# Altium PCB PCB.PcbDoc (part 2 of 2)
Units mm, origin at the board's own origin, x right, y up, seen from the top; angles counter-clockwise.
Board outline 111 x 125 mm, 4 copper layers (Top Layer, Ground Plane, Supply, Bottom Layer), stack 1.536 mm thick; 103 components, 126 nets, 485 pads, 233 vias.
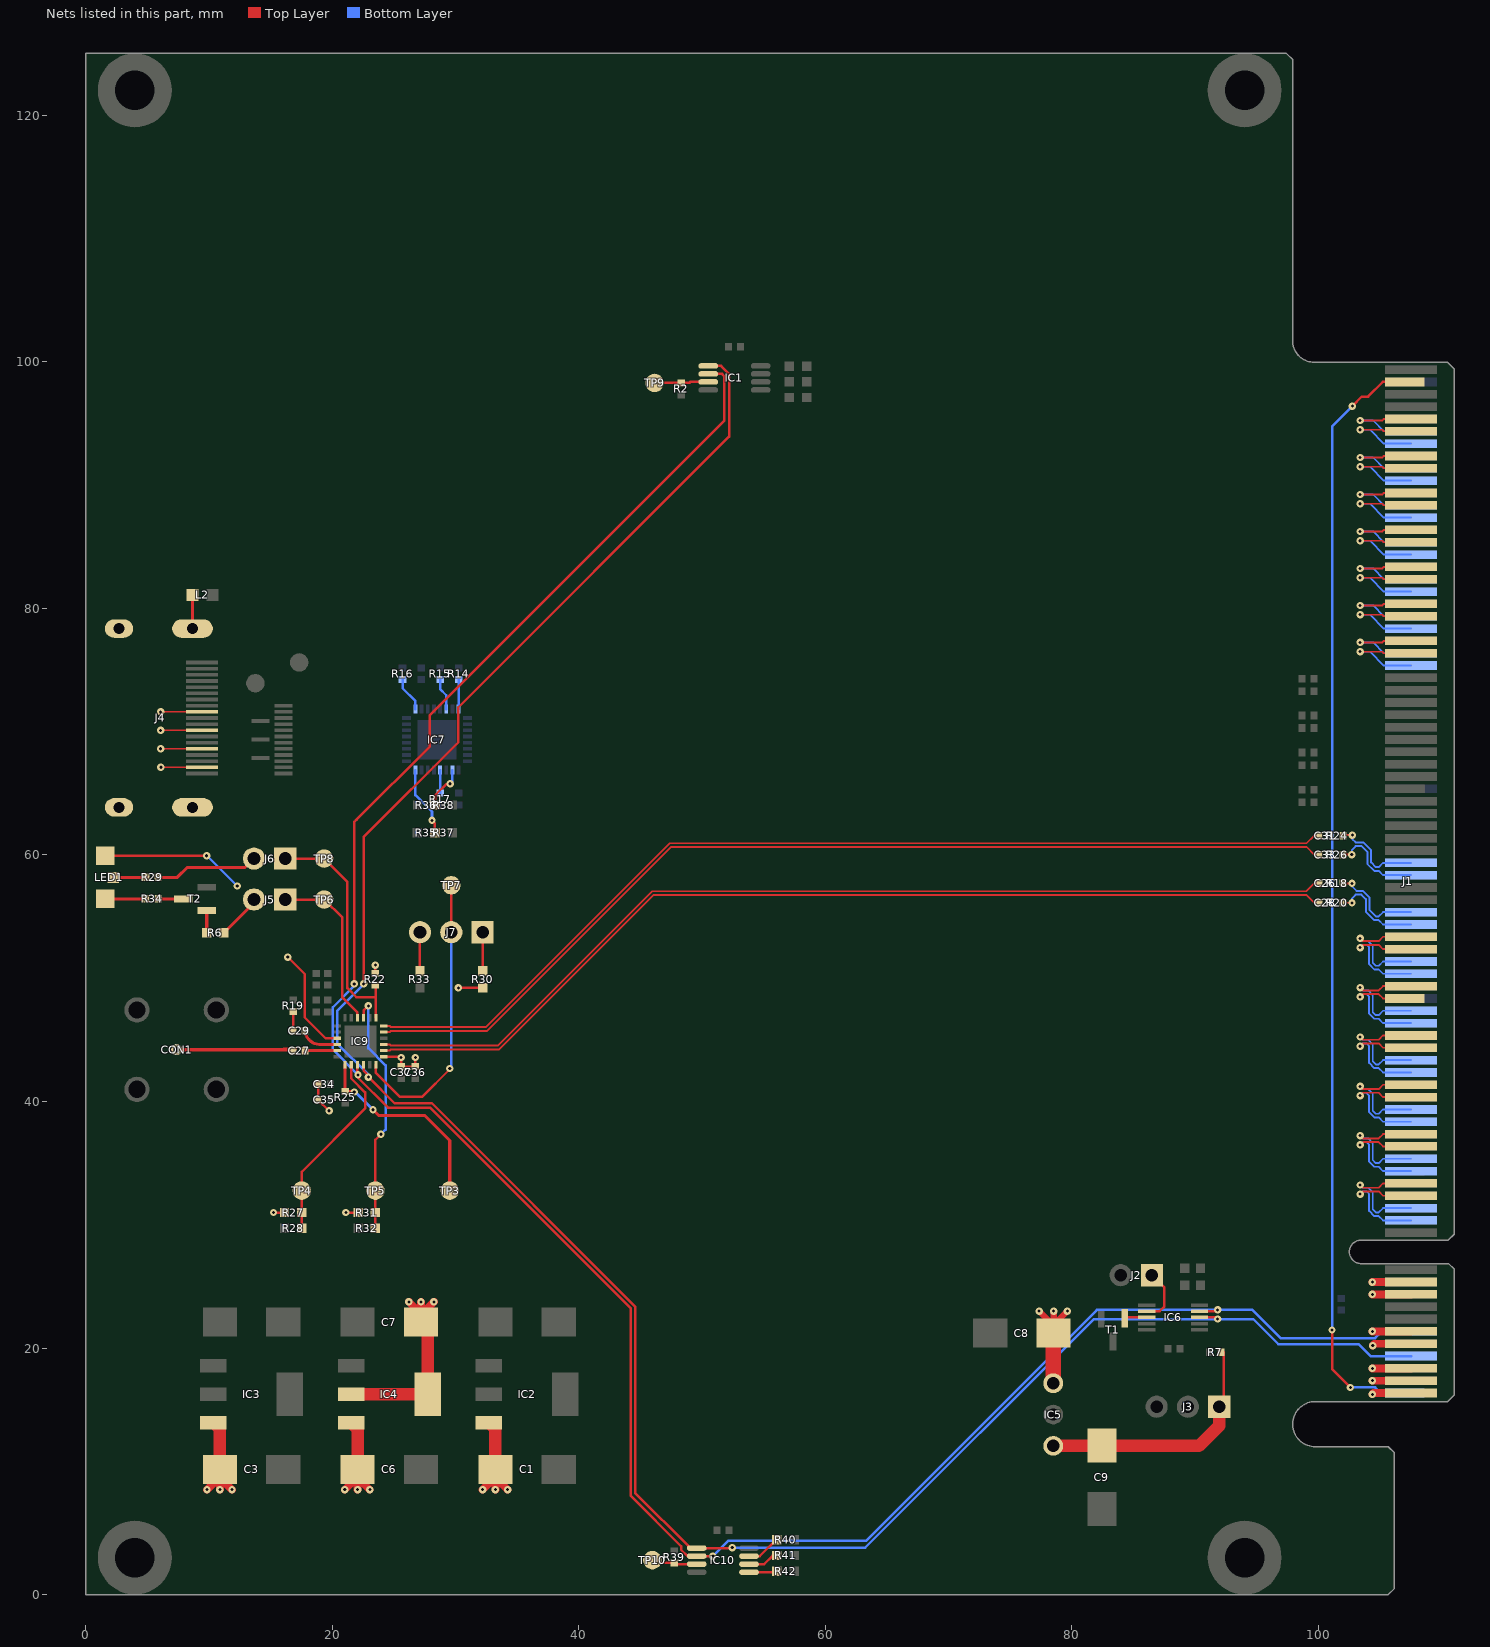
[diagram p4: the nets of this part, all layers, seen from the top]

## Via types
v1: diameter 0.6, hole 0.25, Top Layer to Bottom Layer, 212 vias
v2: diameter 0.7, hole 0.3, Top Layer to Bottom Layer, 11 vias
v3: diameter 0.9, hole 0.5, Top Layer to Bottom Layer, 10 vias

## Nets (pads, with @x,y where several pads share a name; then routed paths per layer and width w, separated by ;. In a path a pad name is that pad's centre, name@x,y a point inside that pad or via, vN(x,y) a via of type N, cw(c..) or ccw(c..) an arc to the next point about the centre after c; other vN are vias at no path point) (continued)
NetIC6_7: IC6.7 J2.1 | length 4.6
  Top Layer w0.203: IC6.7@86.074,22.979 87.114,22.979 87.503,23.368 87.503,24.892 J2.1@86.487,25.908
NetIC6_8: IC6.8 T1.1 | length 1.8
  Top Layer w0.203: T1.1@84.262,22.429 84.312,22.479 IC6.8@86.074,22.479
NetIC7_2: IC7.2 R36.2 R38.1 | length 3.6
  Top Layer w0.203: R38.1@28.365,64.039 28.365,64.84 29.265,65.741 29.545,65.741 v1(29.57,65.766)
  Bottom Layer w0.203: v1(29.57,65.766) 29.753,65.949 IC7.2@29.753,66.872
NetIC7_4: IC7.4 R17.2 | length 1.9
  Bottom Layer w0.203: IC7.4@28.753,66.872 28.757,66.868 R17.2@28.757,65.001
NetIC7_8: IC7.8 R35.2 R37.1 | length 5.7
  Top Layer w0.203: v1(28.098,62.793) 28.311,62.58 R35.2@28.311,61.804
  Bottom Layer w0.203: IC7.8@26.753,66.872 26.753,64.849 28.098,63.504 v1(28.098,62.793)
NetIC7_17: IC7.17 R16.1 | length 2.8
  Bottom Layer w0.203: R16.1@25.709,74.201 25.709,73.513 26.753,72.469 IC7.17@26.753,71.822
NetIC7_22: IC7.22 R15.1 | length 2.6
  Bottom Layer w0.203: R15.1@28.757,74.201 28.757,73.437 29.253,72.941 IC7.22@29.253,71.822
NetIC7_24: IC7.24 R14.1 | length 2.4
  Bottom Layer w0.203: IC7.24@30.253,71.822 30.253,73.079 30.281,73.107 R14.1@30.281,74.201
NetIC9_1: IC9.1 R25.2 TP3.1 | length 16.4
  Top Layer w0.254: IC9.1@21.048,42.972 R25.2@21.048,40.819 21.738,40.819 v1(21.79,40.767) ; v1(23.314,39.326) 23.778,38.862 27.505,38.862 29.537,36.83 TP3.1@29.537,32.766
  Bottom Layer w0.254: v1(21.79,40.767) 21.873,40.767 v1(23.314,39.326)
NetIC10_5: IC10.5 R42.1 | length 2.5
  Top Layer w0.203: IC10.5@53.814,1.819 56.203,1.819 R42.1@56.289,1.905
NetIC10_6: IC10.6 R41.1 | length 2.8
  Top Layer w0.203: IC10.6@53.814,2.469 55.047,2.469 55.753,3.175 R41.1@56.289,3.175
NetIC10_7: IC10.7 R40.1 | length 3
  Top Layer w0.203: IC10.7@53.814,3.119 54.681,3.119 56.007,4.445 R40.1@56.289,4.445
NetJ5_2: J5.2 R6.1 | length 3.7
  Top Layer w0.254: R6.1@11.224,53.675 13.66,56.112 J5.2@13.66,56.375
NetJ6_2: J6.2 R29.2 | length 8.4
  Top Layer w0.254: R29.2@5.88,58.175 7.45,58.175 8.25,58.975 12.935,58.975 J6.2@13.66,59.7
NetJ7_1: J7.1 R30.2 | length 3.1
  Top Layer w0.203: R30.2@32.204,50.609 J7.1@32.204,53.721
NetJ7_3: J7.3 R33.1 | length 3.1
  Top Layer w0.203: R33.1@27.124,50.609 J7.3@27.124,53.721
NetLED1_C1: LED1.C1 R34.2 | length 3.3
  Top Layer w0.254: LED1.C1@1.6,56.425 R34.2@4.92,56.425
NetLED1_C2: LED1.C2 R29.1 | length 2.7
  Top Layer w0.254: LED1.C2@2.25,58.175 R29.1@4.92,58.175
NetR6_2: R6.2 T2.1 | length 1.8
  Top Layer w0.254: T2.1@9.825,55.475 R6.2@9.827,53.675 R6.2@9.827,53.675
NetR34_1: R34.1 T2.3 | length 2
  Top Layer w0.254: R34.1@5.88,56.425 T2.3@7.925,56.425
OUT_MGT_0_N: J1.A42 R24.2 | length 7.5
  Top Layer w0.15: R24.2@102.02,61.595 v1(102.743,61.595)
  Bottom Layer w0.15: v1(102.743,61.595) 102.743,61.274 103.011,61.006 103.629,61.006 104.267,60.368 104.267,59.381 104.648,59 104.876,59 105.226,59.35 J1.A42@107.5,59.35
OUT_MGT_0_P: J1.A41 R26.2 | length 7.6
  Top Layer w0.15: R26.2@101.978,60.02 v1(102.692,60.02)
  Bottom Layer w0.15: v1(102.692,60.02) 102.692,60.387 103.011,60.706 103.505,60.706 103.967,60.244 103.967,59.257 104.524,58.7 104.876,58.7 105.226,58.35 J1.A41@107.5,58.35
OUT_MGT_1_N: J1.A38 R18.2 | length 7.5
  Top Layer w0.15: R18.2@101.978,57.683 v1(102.718,57.683)
  Bottom Layer w0.15: v1(102.718,57.683) 102.718,57.429 103.078,57.069 103.6,57.069 104.14,56.529 104.14,55.508 104.648,55 104.876,55 105.226,55.35 J1.A38@107.5,55.35
OUT_MGT_1_P: J1.A37 R20.2 | length 7.6
  Top Layer w0.15: R20.2@101.978,56.109 v1(102.718,56.109)
  Bottom Layer w0.15: v1(102.718,56.109) 102.718,56.475 103.011,56.769 103.476,56.769 103.84,56.405 103.84,55.384 104.524,54.7 104.876,54.7 105.226,54.35 J1.A37@107.5,54.35
PASS_LVDS_0_N: J1.A77 J1.B78 | length 8.7
  Top Layer w0.15: v1(103.378,95.225) 105.177,95.225 105.302,95.35 J1.B78@107.5,95.35
  Bottom Layer w0.15: v1(103.378,95.225) 104.427,95.225 105.302,94.35 J1.A77@107.5,94.35
PASS_LVDS_0_P: J1.A76 J1.B77 | length 8.8
  Top Layer w0.15: v1(103.378,94.475) 105.177,94.475 105.302,94.35 J1.B77@107.5,94.35
  Bottom Layer w0.15: v1(103.378,94.475) 104.177,94.475 105.302,93.35 J1.A76@107.5,93.35
PASS_LVDS_1_N: J1.A74 J1.B75 | length 8.7
  Top Layer w0.15: v1(103.378,92.225) 105.177,92.225 105.302,92.35 J1.B75@107.5,92.35
  Bottom Layer w0.15: v1(103.378,92.225) 104.427,92.225 105.302,91.35 J1.A74@107.5,91.35
PASS_LVDS_1_P: J1.A73 J1.B74 | length 8.8
  Top Layer w0.15: v1(103.378,91.475) 105.177,91.475 105.302,91.35 J1.B74@107.5,91.35
  Bottom Layer w0.15: v1(103.378,91.475) 104.177,91.475 105.302,90.35 J1.A73@107.5,90.35
PASS_LVDS_2_N: J1.A71 J1.B72 | length 8.7
  Top Layer w0.15: v1(103.378,89.225) 105.177,89.225 105.302,89.35 J1.B72@107.5,89.35
  Bottom Layer w0.15: v1(103.378,89.225) 104.427,89.225 105.302,88.35 J1.A71@107.5,88.35
PASS_LVDS_2_P: J1.A70 J1.B71 | length 8.8
  Top Layer w0.15: v1(103.378,88.475) 105.177,88.475 105.302,88.35 J1.B71@107.5,88.35
  Bottom Layer w0.15: v1(103.378,88.475) 104.177,88.475 105.302,87.35 J1.A70@107.5,87.35
PASS_LVDS_3_N: J1.A68 J1.B69 | length 8.7
  Top Layer w0.15: v1(103.378,86.225) 105.177,86.225 105.302,86.35 J1.B69@107.5,86.35
  Bottom Layer w0.15: v1(103.378,86.225) 104.427,86.225 105.302,85.35 J1.A68@107.5,85.35
PASS_LVDS_3_P: J1.A67 J1.B68 | length 8.8
  Top Layer w0.15: v1(103.378,85.475) 105.177,85.475 105.302,85.35 J1.B68@107.5,85.35
  Bottom Layer w0.15: v1(103.378,85.475) 104.177,85.475 105.302,84.35 J1.A67@107.5,84.35
PASS_LVDS_4_SSCLK_N: J1.A65 J1.B66 | length 8.7
  Top Layer w0.15: v1(103.378,83.225) 105.177,83.225 105.302,83.35 J1.B66@107.5,83.35
  Bottom Layer w0.15: v1(103.378,83.225) 104.427,83.225 105.302,82.35 J1.A65@107.5,82.35
PASS_LVDS_4_SSCLK_P: J1.A64 J1.B65 | length 8.8
  Top Layer w0.15: v1(103.378,82.475) 105.177,82.475 105.302,82.35 J1.B65@107.5,82.35
  Bottom Layer w0.15: v1(103.378,82.475) 104.177,82.475 105.302,81.35 J1.A64@107.5,81.35
PASS_LVDS_5_N: J1.A62 J1.B63 | length 8.7
  Top Layer w0.15: v1(103.378,80.225) 105.177,80.225 105.302,80.35 J1.B63@107.5,80.35
  Bottom Layer w0.15: v1(103.378,80.225) 104.427,80.225 105.302,79.35 J1.A62@107.5,79.35
PASS_LVDS_5_P: J1.A61 J1.B62 | length 8.8
  Top Layer w0.15: v1(103.378,79.475) 105.177,79.475 105.302,79.35 J1.B62@107.5,79.35
  Bottom Layer w0.15: v1(103.378,79.475) 104.177,79.475 105.302,78.35 J1.A61@107.5,78.35
PASS_LVDS_6_N: J1.A59 J1.B60 | length 8.7
  Top Layer w0.15: v1(103.378,77.225) 105.177,77.225 105.302,77.35 J1.B60@107.5,77.35
  Bottom Layer w0.15: v1(103.378,77.225) 104.427,77.225 105.302,76.35 J1.A59@107.5,76.35
PASS_LVDS_6_P: J1.A58 J1.B59 | length 8.8
  Top Layer w0.15: v1(103.378,76.475) 105.177,76.475 105.302,76.35 J1.B59@107.5,76.35
  Bottom Layer w0.15: v1(103.378,76.475) 104.177,76.475 105.302,75.35 J1.A58@107.5,75.35
PASS_MGT_2_N: J1.A34 J1.B36 | length 10.3
  Top Layer w0.15: v1(103.378,53.225) 103.603,53 104.876,53 105.226,53.35 J1.B36@107.5,53.35
  Bottom Layer w0.15: v1(103.378,53.225) 103.603,53 104.015,53 104.399,52.616 104.399,51.249 104.648,51 104.876,51 105.226,51.35 J1.A34@107.5,51.35
PASS_MGT_2_P: J1.A33 J1.B35 | length 10.3
  Top Layer w0.15: v1(103.378,52.475) 103.603,52.7 104.876,52.7 105.226,52.35 J1.B35@107.5,52.35
  Bottom Layer w0.15: v1(103.378,52.475) 103.603,52.7 103.891,52.7 104.099,52.492 104.099,51.124 104.524,50.7 104.876,50.7 105.226,50.35 J1.A33@107.5,50.35
PASS_MGT_3_N: J1.A30 J1.B32 | length 10.3
  Top Layer w0.15: v1(103.378,49.225) 103.603,49 104.876,49 105.226,49.35 J1.B32@107.5,49.35
  Bottom Layer w0.15: v1(103.378,49.225) 103.603,49 104.015,49 104.399,48.616 104.399,47.249 104.648,47 104.876,47 105.226,47.35 J1.A30@107.5,47.35
PASS_MGT_3_P: J1.A29 J1.B31 | length 10.3
  Top Layer w0.15: v1(103.378,48.475) 103.603,48.7 104.876,48.7 105.226,48.35 J1.B31@107.5,48.35
  Bottom Layer w0.15: v1(103.378,48.475) 103.603,48.7 103.891,48.7 104.099,48.492 104.099,47.124 104.524,46.7 104.876,46.7 105.226,46.35 J1.A29@107.5,46.35
PASS_MGT_4_N: J1.A26 J1.B28 | length 10.3
  Top Layer w0.15: v1(103.378,45.225) 103.603,45 104.876,45 105.226,45.35 J1.B28@107.5,45.35
  Bottom Layer w0.15: v1(103.378,45.225) 103.603,45 104.015,45 104.399,44.616 104.399,43.249 104.648,43 104.876,43 105.226,43.35 J1.A26@107.5,43.35
PASS_MGT_4_P: J1.A25 J1.B27 | length 10.3
  Top Layer w0.15: v1(103.378,44.475) 103.603,44.7 104.876,44.7 105.226,44.35 J1.B27@107.5,44.35
  Bottom Layer w0.15: v1(103.378,44.475) 103.603,44.7 103.891,44.7 104.099,44.492 104.099,43.124 104.524,42.7 104.876,42.7 105.226,42.35 J1.A25@107.5,42.35
PASS_MGT_5_N: J1.A22 J1.B24 | length 10.4
  Top Layer w0.15: v1(103.378,41.225) 103.603,41 104.876,41 105.226,41.35 J1.B24@107.5,41.35
  Bottom Layer w0.15: v1(103.378,41.225) 103.603,41 104.042,41 104.399,40.643 104.399,39.249 104.648,39 104.876,39 105.226,39.35 J1.A22@107.5,39.35
PASS_MGT_5_P: J1.A21 J1.B23 | length 10.3
  Top Layer w0.15: v1(103.378,40.475) 103.603,40.7 104.876,40.7 105.226,40.35 J1.B23@107.5,40.35
  Bottom Layer w0.15: v1(103.378,40.475) 103.603,40.7 103.876,40.7 104.099,40.476 104.099,39.124 104.524,38.7 104.876,38.7 105.226,38.35 J1.A21@107.5,38.35
PASS_MGT_6_N: J1.A18 J1.B20 | length 10.3
  Top Layer w0.15: v1(103.378,37.225) 103.603,37 104.876,37 105.226,37.35 J1.B20@107.5,37.35
  Bottom Layer w0.15: v1(103.378,37.225) 103.603,37 104.015,37 104.399,36.616 104.399,35.249 104.648,35 104.876,35 105.226,35.35 J1.A18@107.5,35.35
PASS_MGT_6_P: J1.A17 J1.B19 | length 10.3
  Top Layer w0.15: v1(103.378,36.475) 103.603,36.7 104.876,36.7 105.226,36.35 J1.B19@107.5,36.35
  Bottom Layer w0.15: v1(103.378,36.475) 103.603,36.7 103.891,36.7 104.099,36.492 104.099,35.124 104.524,34.7 104.876,34.7 105.226,34.35 J1.A17@107.5,34.35
PASS_MGT_7_N: J1.A14 J1.B16 | length 10.3
  Top Layer w0.15: v1(103.378,33.225) 103.603,33 104.876,33 105.226,33.35 J1.B16@107.5,33.35
  Bottom Layer w0.15: v1(103.378,33.225) 103.603,33 104.015,33 104.399,32.616 104.399,31.249 104.648,31 104.876,31 105.226,31.35 J1.A14@107.5,31.35
PASS_MGT_7_P: J1.A13 J1.B15 | length 10.3
  Top Layer w0.15: v1(103.378,32.475) 103.603,32.7 104.876,32.7 105.226,32.35 J1.B15@107.5,32.35
  Bottom Layer w0.15: v1(103.378,32.475) 103.603,32.7 103.891,32.7 104.099,32.492 104.099,31.124 104.524,30.7 104.876,30.7 105.226,30.35 J1.A13@107.5,30.35
SCL: IC1.2 IC6.4 IC9.3 IC10.2 J1.A6 | length 194.6
  Top Layer w0.203: v1(21.79,49.53) 21.79,62.665 21.986,62.861 27.925,68.8 27.925,71.325 51.816,95.216 51.816,98.806 51.618,99.004 IC1.2@50.504,99.004 ; v1@22.048,42.211 IC9.3@22.048,42.972 ; v1@22.159,42.101 v1(22.1,42.16) 22.1,41.917 24.52,39.497 27.94,39.497 44.224,23.213 44.224,8.007 48.314,3.917 48.314,3.629 48.824,3.119 IC10.2@49.564,3.119 v1(50.872,3.119) ; IC6.4@90.354,22.979 91.7,22.979 v1(91.821,23.1)
  Bottom Layer w0.203: v1@21.867,49.453 20.052,47.637 20.052,44.207 v1(22.1,42.16) ; v1(50.872,3.119) 52.115,4.362 63.29,4.362 82.028,23.1 v1(91.821,23.1) 94.629,23.1 96.931,20.798 102.976,20.798 102.978,20.8 103.27,20.8 103.272,20.798 104.589,20.798 105.141,21.35 J1.A6@107.5,21.35
SDA: IC1.1 IC6.3 IC9.4 IC10.1 J1.A4 | length 194.1
  Top Layer w0.203: IC9.4@22.548,42.972 22.548,42.492 22.933,42.107 v1(22.933,41.976) 25.059,39.85 28.086,39.85 44.577,23.359 44.577,8.255 49.063,3.769 IC10.1@49.564,3.769 52.41,3.769 v1(52.451,3.81) ; v1(22.552,49.53) 22.552,61.452 22.7,61.6 30.225,69.125 30.225,71.95 52.2,93.925 52.2,99 51.546,99.654 IC1.1@50.504,99.654 ; IC6.3@90.354,22.479 91.692,22.479 v1(91.821,22.35)
  Bottom Layer w0.203: v1(22.552,49.53) 22.552,49.468 20.405,47.322 20.405,44.704 22.933,42.176 v1(22.933,41.976) ; v1(52.451,3.81) 63.237,3.81 81.778,22.35 v1(91.821,22.35) 94.702,22.35 96.732,20.32 103.251,20.32 104.221,19.35 J1.A4@107.5,19.35
SDI_ADDR0: IC9.2 R27.1 R28.1 TP4.1 | length 15.9
  Top Layer w0.203: R28.1@17.535,29.718 R27.1@17.535,30.988 TP4.1@17.535,32.766 17.535,34.29 22.679,39.433 22.679,40.736 21.548,41.867 IC9.2@21.548,42.972
SDI_ADDR1: IC9.15 R31.1 R32.1 TP5.1 | length 20.1
  Top Layer w0.203: IC9.15@22.548,46.772 22.548,47.367 v1(22.933,47.752) ; R32.1@23.504,29.718 R31.1@23.504,30.988 TP5.1@23.504,32.766 23.504,36.893 v1(23.949,37.338)
  Bottom Layer w0.203: v1(22.933,47.752) 22.933,44.319 24.33,42.922 24.33,37.719 v1(23.949,37.338)
SDI_ENABLE: IC9.6 J7.2 TP7.1 | length 23.3
  Top Layer w0.203: IC9.6@23.548,42.972 23.548,42.311 25.473,40.386 27.315,40.386 29.537,42.608 v1(29.537,42.672) ; J7.2@29.664,53.721 TP7.1@29.664,57.531
  Bottom Layer w0.203: v1(29.537,42.672) 29.664,42.799 J7.2@29.664,53.721
SDI_IN_1_N: C31.2 IC9.12 | length 82.3
  Top Layer w0.15: IC9.12@24.198,46.122 24.654,46.122 24.754,46.022 32.458,46.022 47.373,60.937 99.022,60.937 99.638,61.553 C31.2@100.053,61.553
SDI_IN_1_P: C33.2 IC9.11 | length 82.3
  Top Layer w0.15: IC9.11@24.198,45.622 24.654,45.622 24.754,45.722 32.582,45.722 47.497,60.637 99.022,60.637 99.638,60.02 C33.2@100.053,60.02
SDI_IN_2_N: C26.2 IC9.9 | length 81.3
  Top Layer w0.15: IC9.9@24.198,44.622 24.654,44.622 24.754,44.522 33.419,44.522 45.943,57.046 99.001,57.046 99.638,57.683 C26.2@100.053,57.683
SDI_IN_2_P: C28.2 IC9.8 | length 81.3
  Top Layer w0.15: IC9.8@24.198,44.122 24.654,44.122 24.754,44.222 33.543,44.222 46.067,56.746 99.001,56.746 99.638,56.109 C28.2@100.053,56.109
SDI_LOCK: IC9.16 J5.1 TP6.1 | length 13.9
  Top Layer w0.203: J5.1@16.2,56.375 TP6.1@19.35,56.375 20.825,54.9 20.825,48.425 22.048,47.202 IC9.16@22.048,46.772
SDI_LOS_INT_N: IC9.13 J6.1 R22.2 TP8.1 | length 19.7
  Top Layer w0.203: J6.1@16.2,59.7 TP8.1@19.35,59.7 21.238,57.812 21.238,49.187 21.975,48.45 23.548,48.45 ; R22.2@23.504,49.431 23.548,49.388 23.548,48.45 ; IC9.13@23.548,46.772 23.548,48.45
SDI_OUT_AC+: C27.2 CON1.1 | length 9.6
  Top Layer w0.305: CON1.1@7.388,44.204 7.396,44.196 16.075,44.196 ; 16.083,44.204 C27.2@16.964,44.204
SDI_OUT_AC-: C29.2 R19.2 | length 1.6
  Top Layer w0.203: C29.2@16.837,45.723 R19.2@16.837,47.277
SDI_OUT_DC+: C27.1 IC9.23 | length 2.4
  Top Layer w0.254: C27.1@18.005,44.122 IC9.23@20.398,44.122
SDI_OUT_DC-: C29.1 IC9.22 | length 3.2
  Top Layer w0.254: C29.1@17.797,45.723 ccw(c19.019,45.844) 19.14,44.622 IC9.22@20.398,44.622
SHIELD: J4.2 J4.5 J4.8 J4.11 J4.S L2.2 | length 16.1
  Top Layer w0.15: v1(6.083,71.6) J4.11@9.435,71.6 ; v1(6.092,70.1) J4.8@9.435,70.1 ; v1(6.095,68.6) J4.5@9.435,68.6 ; v1(6.107,67.1) J4.2@9.435,67.1
  Top Layer w0.254: L2.2@8.664,81.082 8.664,78.361 J4.S@8.675,78.35
TEMP_ALARM1: IC1.3 R2.1 TP9.1 | length 4.4
  Top Layer w0.203: TP9.1@46.152,98.27 R2.1@48.311,98.27 48.971,98.27 49.055,98.354 IC1.3@50.504,98.354
TEMP_ALARM2: IC10.3 R39.1 TP10.1 | length 3.7
  Top Layer w0.203: TP10.1@45.974,2.794 46.2,2.568 R39.1@47.752,2.568 47.851,2.469 IC10.3@49.564,2.469
VCC_3.3_PRSNT: J1.A1 J1.B81 | length 90.6
  Top Layer w0.203: v1(101.092,21.463) 101.092,18.288 v1(102.582,16.798) ; v1(102.743,96.393) 103.505,97.155 104.013,97.155 105.208,98.35 J1.B81@107,98.35
  Bottom Layer w0.203: v1(101.092,21.463) 101.092,94.742 v1(102.743,96.393) ; v1(102.582,16.798) 104.589,16.798 105.038,16.35 J1.A1@107,16.35
VCC_7.4: C1.1 C3.1 C6.1 C8.1 IC2.3 IC3.3 IC4.3 IC5.1 J1.B1 J1.B2 J1.B3 J1.B5 J1.B6 J1.B9 J1.B10 | length 56.7
  Top Layer w0.508: v1(77.343,22.987) C8.1@78.516,21.814 ; C8.1@78.516,21.209 C8.1@78.516,21.814 ; v1(78.516,22.987) C8.1@78.516,21.874 ; v1(79.629,22.987) C8.1@78.516,21.874 ; C8.1@78.516,21.814 C8.1@78.516,21.874
  Top Layer w0.635: v1(9.846,8.509) C3.1@10.892,9.555 ; v1(10.892,8.514) C3.1@10.892,9.495 ; C3.1@10.892,10.16 C3.1@10.892,9.555 ; v1(11.878,8.509) C3.1@10.892,9.495 ; v1(21.022,8.509) C6.1@22.068,9.555 ; v1(22.068,8.514) C6.1@22.068,9.495 ; C6.1@22.068,10.16 C6.1@22.068,9.555 ; v1(23.054,8.509) C6.1@22.068,9.495 ; v1(32.198,8.509) C1.1@33.244,9.555 ; v1(33.244,8.514) C1.1@33.244,9.495 ; C1.1@33.244,10.16 C1.1@33.244,9.555 ; v1(34.23,8.509) C1.1@33.244,9.495 ; v1(104.361,16.247) 104.464,16.35 J1.B1@107.5,16.35 ; v1(104.361,17.35) J1.B2@107.5,17.35 ; v1(104.361,18.35) J1.B3@107.5,18.35 ; v1(104.361,21.35) J1.B6@107.5,21.35 ; v1(104.361,24.35) J1.B9@107.5,24.35 ; v1(104.361,25.35) J1.B10@107.5,25.35 ; v1(104.394,20.193) 104.551,20.35 J1.B5@107.5,20.35 ; C3.1@10.892,9.495 C3.1@10.892,9.555 ; C6.1@22.068,9.495 C6.1@22.068,9.555 ; C1.1@33.244,9.495 C1.1@33.244,9.555
  Top Layer w1.016: IC3.3@10.362,13.956 10.892,13.426 C3.1@10.892,10.16 ; IC4.3@21.538,13.956 22.068,13.426 C6.1@22.068,10.16 ; IC2.3@32.714,13.956 33.244,13.426 C1.1@33.244,10.16
  Top Layer w1.27: IC5.1@78.486,17.145 78.486,21.179 C8.1@78.516,21.209
VCC_FAN: C9.1 IC5.3 J3.1 R7.2 | length 20.2
  Top Layer w0.203: J3.1@91.948,15.24 92.316,15.608 R7.2@92.316,19.66
  Top Layer w1.016: IC5.3@78.486,12.065 90.297,12.065 91.948,13.716 J3.1@91.948,15.24
VCC_SDI: C7.1 C34.2 C35.2 C36.2 C37.2 IC4.2 IC4.4 IC9.7 IC9.21 LED1.A R22.1 R27.2 R30.1 R31.2 | length 48.3
  Top Layer w0.203: LED1.A@1.6,59.925 v1(9.825,59.925) v1@9.85,59.925 ; v1(15.246,30.988) R27.2@16.138,30.988 ; v1(16.4,51.7) 17.775,50.325 17.775,46.814 19.467,45.122 IC9.21@20.398,45.122 ; C34.2@18.869,41.381 C35.2@18.869,40.13 19.756,39.243 v1(19.758,39.243) ; v1(21.106,30.988) R31.2@22.107,30.988 ; R22.1@23.504,50.391 v1(23.504,51.054) ; IC9.7@24.198,43.622 v1@25.539,43.622 ; v1(25.6,43.561) C37.2@25.6,42.827 C36.2@26.743,42.827 v1(26.743,43.561) ; v1(30.235,49.212) R30.1@32.204,49.212
  Top Layer w0.635: v1(26.222,23.749) C7.1@27.208,22.763 ; C7.1@27.208,22.098 C7.1@27.208,22.703 ; v1(27.208,23.744) C7.1@27.208,22.763 ; v1(28.254,23.749) C7.1@27.208,22.703 ; C7.1@27.208,22.703 C7.1@27.208,22.763
  Top Layer w1.016: IC4.2@21.538,16.256 IC4.4@27.738,16.256 27.738,21.568 C7.1@27.208,22.098
  Bottom Layer w0.203: v1@9.85,59.925 v1(12.3,57.475)
pads on no net: IC7.5 IC7.6 IC7.7 IC7.19 IC7.20 IC7.23 IC8.15 IC9.5 IC9.14 IC9.17 IC9.18 J1.A46 J1.A47 J1.A49 J1.A50 J1.A52 J1.A53 J1.A55 J1.A56 J1.A79 J1.A80 J1.A82 J1.B80 J1.B82 J4.14

## Polygon pours and split planes (outlines as drawn)
GND on Supply "GND" (solid, remove dead copper, pour order 62): 16.089,42.087 16.089,50.265 17.689,51.866 19.848,51.866 19.848,47.294 20.61,46.532 25.563,46.532 25.563,42.087
VCC_SDI on Supply "VCC_SDI" (solid, remove dead copper, pour order 68): 30.607,11.938 19.177,11.938 19.177,23.495 2.54,40.132 2.54,48.895 11.938,58.293 25.4,58.293 30.607,53.086
3V3 on Supply "3V3" (solid, remove dead copper, pour order 67): 113.792,27.678 99.179,27.678 90.17,18.669 76.454,18.669 76.454,11.938 30.607,11.938 30.607,53.086 25.4,58.293 25.4,93.853 35.179,103.632 35.306,103.759 83.566,103.759 113.792,103.759 113.792,27.676
5V0 on Supply "5V0" (solid, remove dead copper, pour order 69): 19.177,11.938 0.204,11.938 0.204,88.138 15.24,88.138 25.285,88.138 25.285,58.42 11.726,58.42 2.54,49.234 2.54,39.878 2.794,39.878 19.177,23.495
VCC_7.4 on Supply "VCC_7.4V" (solid, remove dead copper, pour order 65): 111.76,27.686 111.76,-1.143 -1.651,-1.143 -1.651,11.938 76.454,11.938 76.454,24.007 80.772,24.003 80.772,18.669 90.17,18.669 99.187,27.676
no net on Bottom Layer "AntmicroLogo" (solid, pour order 2): 34 vertices, not listed, extent 30.236,17.355 31.881,19.749
no net on Bottom Layer "AntmicroLogo" (solid, pour order 4): 19 vertices, not listed, extent 28.05,17.398 29.729,19.749
no net on Bottom Layer "AntmicroLogo" (solid, pour order 6): 24 vertices, not listed, extent 26.752,17.376 27.797,20.353
no net on Bottom Layer "AntmicroLogo" (solid, pour order 8): 113 vertices, not listed, extent 23.434,17.394 230.431,35.445
no net on Bottom Layer "AntmicroLogo" (solid, pour order 10): 22.927,17.398 22.55,17.398 22.55,19.706 22.927,19.706
no net on Bottom Layer "AntmicroLogo" (solid, pour order 12): 39 vertices, not listed, extent 20.786,17.355 22.2,19.749
no net on Bottom Layer "AntmicroLogo" (solid, pour order 14): 20.423,17.398 20.423,19.587 20.078,19.705 19.635,19.749 19.51,19.744 19.433,19.737 19.519,19.454 19.63,19.483 19.754,19.492 19.908,19.478 20.046,19.432 20.046,17.398
no net on Bottom Layer "AntmicroLogo" (solid, pour order 16): 33 vertices, not listed, extent 17.555,17.355 19.379,19.749
no net on Bottom Layer "AntmicroLogo" (solid, pour order 18): 205 vertices, not listed, extent 34.441,17.214 240.844,36.042
no net on Bottom Layer "AntmicroLogo" (solid, pour order 34): 319 vertices, not listed, extent 32.606,15.258 38.39,21.883
GND on Bottom Layer "GND" (solid, remove dead copper, pour order 64): 2.232,51.562 2.232,36.83 15.44,36.83 15.44,51.562 2.232,51.562
no net on Top Layer "AntmicroLogo" (solid, pour order 66): 319 vertices, not listed, extent 60.155,43.708 65.94,50.333
no net on Top Layer "AntmicroLogo" (solid, pour order 61): 205 vertices, not listed, extent -124.121,35.662 64.105,48.378
no net on Top Layer "AntmicroLogo" (solid, pour order 60): 33 vertices, not listed, extent 79.166,45.805 80.991,48.199
no net on Top Layer "AntmicroLogo" (solid, pour order 59): 78.123,45.848 78.123,48.036 78.467,48.155 78.911,48.199 79.036,48.194 79.113,48.186 79.027,47.904 78.916,47.933 78.791,47.942 78.638,47.928 78.5,47.882 78.5,45.848
no net on Top Layer "AntmicroLogo" (solid, pour order 58): 39 vertices, not listed, extent 76.346,45.805 77.76,48.199
no net on Top Layer "AntmicroLogo" (solid, pour order 57): 75.619,45.848 75.995,45.848 75.995,48.156 75.619,48.156
no net on Top Layer "AntmicroLogo" (solid, pour order 56): 113 vertices, not listed, extent -113.708,35.442 75.112,48.202
no net on Top Layer "AntmicroLogo" (solid, pour order 55): 24 vertices, not listed, extent 70.749,45.826 71.794,48.803
no net on Top Layer "AntmicroLogo" (solid, pour order 54): 19 vertices, not listed, extent 68.817,45.848 70.496,48.199
no net on Top Layer "AntmicroLogo" (solid, pour order 53): 34 vertices, not listed, extent 66.665,45.805 68.31,48.199
GND on Top Layer "GND" (solid, remove dead copper, pour order 63): 2.232,51.562 2.232,36.83 15.244,36.83 15.244,51.562
no net on Top Solder "AntmicroLogo" (solid, pour order 34): 319 vertices, not listed, extent 60.155,43.708 65.94,50.333
no net on Top Solder "AntmicroLogo" (solid, pour order 18): 205 vertices, not listed, extent -124.121,35.662 64.105,48.378
no net on Top Solder "AntmicroLogo" (solid, pour order 16): 33 vertices, not listed, extent 79.166,45.805 80.991,48.199
no net on Top Solder "AntmicroLogo" (solid, pour order 14): 78.123,45.848 78.123,48.036 78.467,48.155 78.911,48.199 79.036,48.194 79.113,48.186 79.027,47.904 78.916,47.933 78.791,47.942 78.638,47.928 78.5,47.882 78.5,45.848
no net on Top Solder "AntmicroLogo" (solid, pour order 12): 39 vertices, not listed, extent 76.346,45.805 77.76,48.199
no net on Top Solder "AntmicroLogo" (solid, pour order 10): 75.619,45.848 75.995,45.848 75.995,48.156 75.619,48.156
no net on Top Solder "AntmicroLogo" (solid, pour order 8): 113 vertices, not listed, extent -113.708,35.442 75.112,48.202
no net on Top Solder "AntmicroLogo" (solid, pour order 6): 24 vertices, not listed, extent 70.749,45.826 71.794,48.803
no net on Top Solder "AntmicroLogo" (solid, pour order 4): 19 vertices, not listed, extent 68.817,45.848 70.496,48.199
no net on Top Solder "AntmicroLogo" (solid, pour order 2): 34 vertices, not listed, extent 66.665,45.805 68.31,48.199
no net on Bottom Solder "AntmicroLogo" (solid, pour order 2): 34 vertices, not listed, extent 30.236,17.355 31.881,19.749
no net on Bottom Solder "AntmicroLogo" (solid, pour order 4): 19 vertices, not listed, extent 28.05,17.398 29.729,19.749
no net on Bottom Solder "AntmicroLogo" (solid, pour order 6): 24 vertices, not listed, extent 26.752,17.376 27.797,20.353
no net on Bottom Solder "AntmicroLogo" (solid, pour order 8): 113 vertices, not listed, extent 23.434,17.394 230.431,35.445
no net on Bottom Solder "AntmicroLogo" (solid, pour order 10): 22.927,17.398 22.55,17.398 22.55,19.706 22.927,19.706
no net on Bottom Solder "AntmicroLogo" (solid, pour order 12): 39 vertices, not listed, extent 20.786,17.355 22.2,19.749
no net on Bottom Solder "AntmicroLogo" (solid, pour order 14): 20.423,17.398 20.423,19.587 20.078,19.705 19.635,19.749 19.51,19.744 19.433,19.737 19.519,19.454 19.63,19.483 19.754,19.492 19.908,19.478 20.046,19.432 20.046,17.398
no net on Bottom Solder "AntmicroLogo" (solid, pour order 16): 33 vertices, not listed, extent 17.555,17.355 19.379,19.749
no net on Bottom Solder "AntmicroLogo" (solid, pour order 18): 205 vertices, not listed, extent 34.441,17.214 240.844,36.042
no net on Bottom Solder "AntmicroLogo" (solid, pour order 34): 319 vertices, not listed, extent 32.606,15.258 38.39,21.883
SHIELD on Ground Plane (split plane): 10.471,72.847 7.569,72.847 7.569,66.142 10.562,66.142 10.562,62.588 0.51,62.588 0.51,80.236 10.471,80.236
GND on Ground Plane (split plane): 122 vertices, not listed, extent 0.51,0.51 108.15,124.49

## Keep-outs
Keep-Out Layer:
  lines w0.1: 103.45,26.9 110.5,26.9 111,26.4 111,16.2 110.45,15.65 99.725,15.65 ccw(c99.725,13.825) 99.725,12 105.65,12 106.15,11.5 106.15,0.5 105.65,0 0,0 0,125 97.4,125 97.9,124.5 97.9,101.7 ccw(c99.65,101.7) 99.65,99.95 110.45,99.95 111,99.4 111,29.225 110.525,28.75 103.45,28.75 ; 103.45,26.875 cw(c103.45,27.825) 103.45,28.775

## Other copper
Top Layer:
  pour cut-out: 67.061,46.304 67.025,46.512 67.088,46.773 67.272,46.958 67.565,47.079 67.959,47.15 67.959,46.101 67.882,46.069 67.789,46.045 67.686,46.029 67.577,46.024 67.339,46.056 67.166,46.15
  pour cut-out: 79.606,46.485 79.57,46.647 79.549,46.824 79.543,47.013 79.549,47.201 79.57,47.377 79.606,47.538 79.66,47.679 79.732,47.796 79.825,47.884 79.94,47.94 80.079,47.96 80.217,47.94 80.332,47.884 80.425,47.796 80.497,47.679 80.551,47.538 80.587,47.377 80.608,47.201 80.614,47.013 80.608,46.824 80.587,46.647 80.551,46.485 80.497,46.342 80.425,46.224 80.332,46.135 80.217,46.078 80.079,46.058 79.94,46.078 79.825,46.135 79.732,46.224 79.66,46.342
  pour cut-out: 63.914,46.929 cw(c63.914,47.021) 63.822,47.021 cw(c63.914,47.021) 63.914,47.112 cw(c63.914,47.021) 64.006,47.021 cw(c63.914,47.021) 63.914,46.929 cw(c-122.311,36.619)
  pour cut-out: 63.8,47.696 cw(c63.8,47.787) 63.709,47.787 cw(c63.8,47.787) 63.8,47.879 cw(c63.8,47.787) 63.892,47.787 cw(c63.8,47.787) 63.8,47.696 cw(c-122.425,37.385)
  pour cut-out: 63.048,47.931 cw(c63.048,48.111) 62.868,48.111 cw(c63.048,48.111) 63.048,48.29 cw(c63.048,48.111) 63.227,48.111 cw(c63.048,48.111) 63.048,47.931 cw(c-123.178,37.709)
  pour cut-out: 62.295,47.696 cw(c62.295,47.787) 62.203,47.787 cw(c62.295,47.787) 62.295,47.879 cw(c62.295,47.787) 62.386,47.787 cw(c62.295,47.787) 62.295,47.696 cw(c-123.93,37.385)
  pour cut-out: 62.181,46.929 cw(c62.181,47.021) 62.089,47.021 cw(c62.181,47.021) 62.181,47.112 cw(c62.181,47.021) 62.273,47.021 cw(c62.181,47.021) 62.181,46.929 cw(c-124.045,36.619)
  pour cut-out: 62.295,46.163 cw(c62.295,46.254) 62.203,46.254 cw(c62.295,46.254) 62.295,46.346 cw(c62.295,46.254) 62.386,46.254 cw(c62.295,46.254) 62.295,46.163 cw(c-123.93,35.852)
  pour cut-out: 63.048,45.751 cw(c63.048,45.931) 62.868,45.931 cw(c63.048,45.931) 63.048,46.11 cw(c63.048,45.931) 63.227,45.931 cw(c63.048,45.931) 63.048,45.751 cw(c-123.178,35.528)
  pour cut-out: 63.709,46.254 ccw(c63.8,46.254) 63.8,46.163 ccw(c63.8,46.254) 63.892,46.254 ccw(c63.8,46.254) 63.8,46.346 ccw(c63.8,46.254) 63.709,46.254 cw(c-122.425,35.852)
  text "AXIOM Gamma" at 66.802,43.18 h2.03
  text "Video Output Module (VOM)" at 66.802,41.148 h2.03
  text "Rev.1.0    01/2017" at 66.802,39.37 h1.52
Supply:
  pour cut-out: 16.45,48.657 16.45,46.893 17.212,46.893 17.212,48.657
  pour cut-out: 16.461,44.453 18.239,44.453 18.239,43.775 16.461,43.775
  pour cut-out: 16.486,46.112 16.486,45.35 18.264,45.35 18.264,46.112
  pour cut-out: 77.47,16.157 79.276,16.157 79.629,16.51 79.629,18.161 77.47,18.161
Bottom Layer:
  pour cut-out: 18.939,18.035 18.976,18.197 18.996,18.374 19.003,18.563 18.996,18.751 18.976,18.927 18.939,19.088 18.886,19.229 18.813,19.346 18.721,19.434 18.606,19.49 18.467,19.51 18.329,19.49 18.214,19.434 18.121,19.346 18.048,19.229 17.995,19.088 17.959,18.927 17.938,18.751 17.932,18.563 17.938,18.374 17.959,18.197 17.995,18.035 18.048,17.893 18.121,17.774 18.214,17.685 18.329,17.628 18.467,17.608 18.606,17.628 18.721,17.685 18.813,17.774 18.886,17.893
  pour cut-out: 31.485,17.854 31.521,18.062 31.457,18.323 31.274,18.508 30.981,18.629 30.587,18.7 30.587,17.651 30.664,17.619 30.757,17.595 30.86,17.579 30.968,17.574 31.207,17.606 31.38,17.7
  pour cut-out: 15.694,40.884 15.44,40.884 15.44,40.386 15.694,40.386
  pour cut-out: 34.837,17.804 cw(c34.746,17.804) 34.746,17.713 cw(c34.746,17.804) 34.654,17.804 cw(c34.746,17.804) 34.746,17.896 cw(c34.746,17.804) 34.837,17.804 ccw(c239.148,35.852)
  pour cut-out: 35.498,17.301 ccw(c35.498,17.481) 35.678,17.481 ccw(c35.498,17.481) 35.498,17.66 ccw(c35.498,17.481) 35.319,17.481 ccw(c35.498,17.481) 35.498,17.301 ccw(c239.9,35.528)
  pour cut-out: 36.251,17.713 ccw(c36.251,17.804) 36.342,17.804 ccw(c36.251,17.804) 36.251,17.896 ccw(c36.251,17.804) 36.159,17.804 ccw(c36.251,17.804) 36.251,17.713 ccw(c240.653,35.852)
  pour cut-out: 36.365,18.479 ccw(c36.365,18.571) 36.457,18.571 ccw(c36.365,18.571) 36.365,18.663 ccw(c36.365,18.571) 36.273,18.571 ccw(c36.365,18.571) 36.365,18.479 ccw(c240.767,36.619)
  pour cut-out: 36.251,19.246 ccw(c36.251,19.337) 36.342,19.337 ccw(c36.251,19.337) 36.251,19.429 ccw(c36.251,19.337) 36.159,19.337 ccw(c36.251,19.337) 36.251,19.246 ccw(c240.653,37.385)
  pour cut-out: 35.498,19.482 ccw(c35.498,19.661) 35.678,19.661 ccw(c35.498,19.661) 35.498,19.84 ccw(c35.498,19.661) 35.319,19.661 ccw(c35.498,19.661) 35.498,19.482 ccw(c239.9,37.709)
  pour cut-out: 34.746,19.246 ccw(c34.746,19.337) 34.837,19.337 ccw(c34.746,19.337) 34.746,19.429 ccw(c34.746,19.337) 34.654,19.337 ccw(c34.746,19.337) 34.746,19.246 ccw(c239.148,37.385)
  pour cut-out: 34.632,18.479 ccw(c34.632,18.571) 34.723,18.571 ccw(c34.632,18.571) 34.632,18.663 ccw(c34.632,18.571) 34.54,18.571 ccw(c34.632,18.571) 34.632,18.479 ccw(c239.034,36.619)
  text "AXIOM Gamma" at 31.856,14.732 h2.03
  text "Video Output Module (VOM)" at 31.856,12.7 h2.03
  text "Rev.1.0    01/2017" at 31.856,10.922 h1.52
Ground Plane (plane layer: these items are gaps in the copper):
  rectangle: 98.171,63.881 100.076,64.643
  rectangle: 98.171,64.897 100.076,65.659
  rectangle: 98.171,66.878 100.076,67.64
  rectangle: 98.171,67.92 100.076,68.682
  rectangle: 98.171,73.889 100.076,74.651
  rectangle: 98.171,72.873 100.076,73.635
  rectangle: 98.171,70.917 100.076,71.679
  rectangle: 98.171,69.901 100.076,70.663
  rectangle: 99.568,55.728 102.362,56.49
  rectangle: 99.568,57.302 102.362,58.064
  rectangle: 99.568,59.639 102.362,60.401
  rectangle: 99.568,61.214 102.362,61.976
  rectangle: 16.425,46.8 17.187,48.578
  rectangle: 16.372,45.35 18.15,46.112
  rectangle: 16.425,43.7 18.203,44.462
  region: 111.05,15.65 111.05,100 108.15,100 108.15,15.65
  rectangle: 7.569,66.142 10.8,72.847
  lines w0.254: 0,62.459 10.692,62.459 10.692,66.345 ; 0,80.366 10.6,80.366 10.6,72.466

## Silkscreen, mask and mechanical layers (free items; w line width, h text height)
Top Overlay:
  text "W" at 10.497,1.598 h5.08
  text "p" at 20.066,1.524 h5.08
  text "e" at 15.055,0.816 h5.08
Bottom Paste:
  rectangle: 21.688,42.291 22.654,43.205
  rectangle: 20.342,42.291 21.307,43.205
  rectangle: 20.342,43.663 21.307,44.577
  rectangle: 21.688,43.663 22.654,44.577
Top Solder:
  pour cut-out: 67.061,46.304 67.025,46.512 67.088,46.773 67.272,46.958 67.565,47.079 67.959,47.15 67.959,46.101 67.882,46.069 67.789,46.045 67.686,46.029 67.577,46.024 67.339,46.056 67.166,46.15
  pour cut-out: 79.606,46.485 79.57,46.647 79.549,46.824 79.543,47.013 79.549,47.201 79.57,47.377 79.606,47.538 79.66,47.679 79.732,47.796 79.825,47.884 79.94,47.94 80.079,47.96 80.217,47.94 80.332,47.884 80.425,47.796 80.497,47.679 80.551,47.538 80.587,47.377 80.608,47.201 80.614,47.013 80.608,46.824 80.587,46.647 80.551,46.485 80.497,46.342 80.425,46.224 80.332,46.135 80.217,46.078 80.079,46.058 79.94,46.078 79.825,46.135 79.732,46.224 79.66,46.342
  pour cut-out: 63.914,46.929 cw(c63.914,47.021) 63.822,47.021 cw(c63.914,47.021) 63.914,47.112 cw(c63.914,47.021) 64.006,47.021 cw(c63.914,47.021) 63.914,46.929 cw(c-122.311,36.619)
  pour cut-out: 63.8,47.696 cw(c63.8,47.787) 63.709,47.787 cw(c63.8,47.787) 63.8,47.879 cw(c63.8,47.787) 63.892,47.787 cw(c63.8,47.787) 63.8,47.696 cw(c-122.425,37.385)
  pour cut-out: 63.048,47.931 cw(c63.048,48.111) 62.868,48.111 cw(c63.048,48.111) 63.048,48.29 cw(c63.048,48.111) 63.227,48.111 cw(c63.048,48.111) 63.048,47.931 cw(c-123.178,37.709)
  pour cut-out: 62.295,47.696 cw(c62.295,47.787) 62.203,47.787 cw(c62.295,47.787) 62.295,47.879 cw(c62.295,47.787) 62.386,47.787 cw(c62.295,47.787) 62.295,47.696 cw(c-123.93,37.385)
  pour cut-out: 62.181,46.929 cw(c62.181,47.021) 62.089,47.021 cw(c62.181,47.021) 62.181,47.112 cw(c62.181,47.021) 62.273,47.021 cw(c62.181,47.021) 62.181,46.929 cw(c-124.045,36.619)
  pour cut-out: 62.295,46.163 cw(c62.295,46.254) 62.203,46.254 cw(c62.295,46.254) 62.295,46.346 cw(c62.295,46.254) 62.386,46.254 cw(c62.295,46.254) 62.295,46.163 cw(c-123.93,35.852)
  pour cut-out: 63.048,45.751 cw(c63.048,45.931) 62.868,45.931 cw(c63.048,45.931) 63.048,46.11 cw(c63.048,45.931) 63.227,45.931 cw(c63.048,45.931) 63.048,45.751 cw(c-123.178,35.528)
  pour cut-out: 63.709,46.254 ccw(c63.8,46.254) 63.8,46.163 ccw(c63.8,46.254) 63.892,46.254 ccw(c63.8,46.254) 63.8,46.346 ccw(c63.8,46.254) 63.709,46.254 cw(c-122.425,35.852)
  text "AXIOM Gamma" at 66.802,43.18 h2.03
  text "Video Output Module (VOM)" at 66.802,41.148 h2.03
  text "Rev.1.0    01/2017" at 66.802,39.37 h1.52
Bottom Solder:
  pour cut-out: 18.939,18.035 18.976,18.197 18.996,18.374 19.003,18.563 18.996,18.751 18.976,18.927 18.939,19.088 18.886,19.229 18.813,19.346 18.721,19.434 18.606,19.49 18.467,19.51 18.329,19.49 18.214,19.434 18.121,19.346 18.048,19.229 17.995,19.088 17.959,18.927 17.938,18.751 17.932,18.563 17.938,18.374 17.959,18.197 17.995,18.035 18.048,17.893 18.121,17.774 18.214,17.685 18.329,17.628 18.467,17.608 18.606,17.628 18.721,17.685 18.813,17.774 18.886,17.893
  pour cut-out: 31.485,17.854 31.521,18.062 31.457,18.323 31.274,18.508 30.981,18.629 30.587,18.7 30.587,17.651 30.664,17.619 30.757,17.595 30.86,17.579 30.968,17.574 31.207,17.606 31.38,17.7
  pour cut-out: 34.837,17.804 cw(c34.746,17.804) 34.746,17.713 cw(c34.746,17.804) 34.654,17.804 cw(c34.746,17.804) 34.746,17.896 cw(c34.746,17.804) 34.837,17.804 ccw(c239.148,35.852)
  pour cut-out: 35.498,17.301 ccw(c35.498,17.481) 35.678,17.481 ccw(c35.498,17.481) 35.498,17.66 ccw(c35.498,17.481) 35.319,17.481 ccw(c35.498,17.481) 35.498,17.301 ccw(c239.9,35.528)
  pour cut-out: 36.251,17.713 ccw(c36.251,17.804) 36.342,17.804 ccw(c36.251,17.804) 36.251,17.896 ccw(c36.251,17.804) 36.159,17.804 ccw(c36.251,17.804) 36.251,17.713 ccw(c240.653,35.852)
  pour cut-out: 36.365,18.479 ccw(c36.365,18.571) 36.457,18.571 ccw(c36.365,18.571) 36.365,18.663 ccw(c36.365,18.571) 36.273,18.571 ccw(c36.365,18.571) 36.365,18.479 ccw(c240.767,36.619)
  pour cut-out: 36.251,19.246 ccw(c36.251,19.337) 36.342,19.337 ccw(c36.251,19.337) 36.251,19.429 ccw(c36.251,19.337) 36.159,19.337 ccw(c36.251,19.337) 36.251,19.246 ccw(c240.653,37.385)
  pour cut-out: 35.498,19.482 ccw(c35.498,19.661) 35.678,19.661 ccw(c35.498,19.661) 35.498,19.84 ccw(c35.498,19.661) 35.319,19.661 ccw(c35.498,19.661) 35.498,19.482 ccw(c239.9,37.709)
  pour cut-out: 34.746,19.246 ccw(c34.746,19.337) 34.837,19.337 ccw(c34.746,19.337) 34.746,19.429 ccw(c34.746,19.337) 34.654,19.337 ccw(c34.746,19.337) 34.746,19.246 ccw(c239.148,37.385)
  pour cut-out: 34.632,18.479 ccw(c34.632,18.571) 34.723,18.571 ccw(c34.632,18.571) 34.632,18.663 ccw(c34.632,18.571) 34.54,18.571 ccw(c34.632,18.571) 34.632,18.479 ccw(c239.034,36.619)
  text "AXIOM Gamma" at 31.856,14.732 h2.03
  text "Video Output Module (VOM)" at 31.856,12.7 h2.03
  text "Rev.1.0    01/2017" at 31.856,10.922 h1.52
PCB Outline:
  the board outline again, w0.1
PCB Asm Notes:
  lines w0.1: -2,0 -2,136
  text "Enclosure front face" at -2.5,121.5 h0.76 r90
Top Body:
  lines w0.203: 0,8.1 106.15,8.1

## Text inside footprints (layer, text, board x,y; h text height)
CON1: Bottom Cmp Notes "Recommended track path" at 16.786,47.125 h0.76 r180; Bottom Cmp Notes "Recommended bottom ground plane" at 2.308,35.06 h0.76 r180; Top Cmp Notes "Panel wall (front surface)" at -2.188,52.179 h0.76 r270; Top Cmp Notes "Recommended top ground plane" at 22.538,35.004 h0.76 r180
J1: Top Cmp Notes "Board edge" at 112.326,29.939 h0.76 r90
J4: Top Cmp Notes "Panel wall (front face)" at -3.125,78.95 h0.76 r270; Top Cmp Notes "PCB Edge" at -0.125,73.85 h0.76 r270